# KiCad board pcb.kicad_pcb
title: Synth Labs 065 Hotswap RGB PCB; date: 2021-11-01; rev: 1.0; company: 0xCB; note: Conor Burns & Jakob Kriener
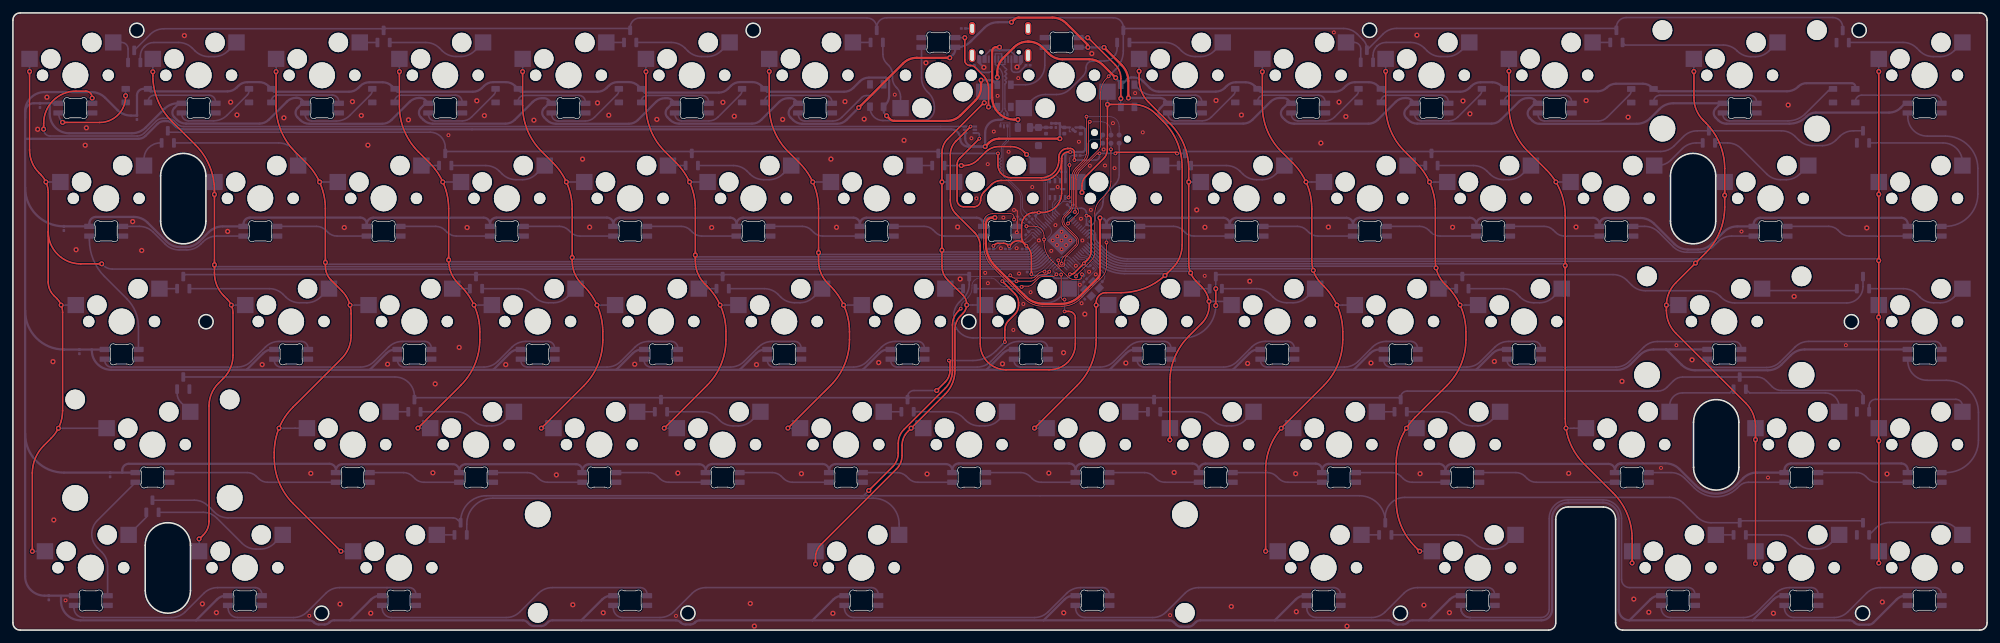
[diagram p0: board, top side]
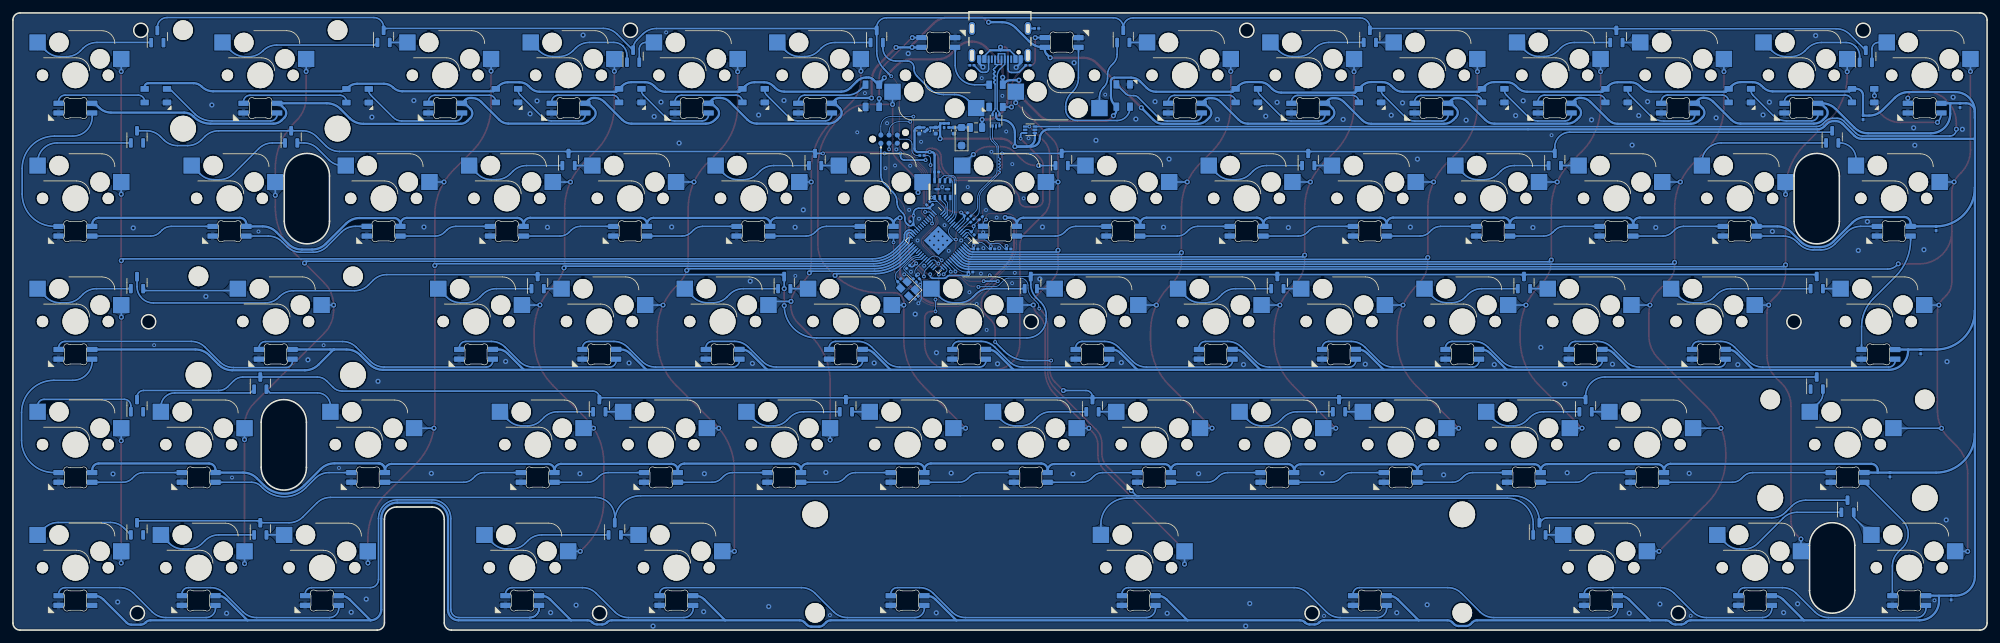
[diagram p1: board, bottom side, seen from below]

Outline 305.05 x 95.5 mm; copper layers: Top, Bottom. Coordinates in mm from the lower left corner of the outline.
Outline path: circle c19.14,92.82 r1.1 ; circle c29.84,47.72 r1.1 ; circle c47.7,2.62 r1.1 ; circle c104.3,2.62 r1.1 ; circle c114.39,92.82 r1.1 ; circle c147.71,47.72 r1.1 ; circle c209.64,92.82 r1.1 ; circle c214.39,2.62 r1.1 ; circle c284.09,47.72 r1.1 ; circle c285.29,92.82 r1.1 ; circle c285.82,2.62 r1.1 ; 0,94.4 0,1.1 arc(0.32,0.32) 1.1,0 237.3,0 arc(238.07,0.32) 238.4,1.1 238.4,17.15 arc(238.95,18.49) 240.3,19.05 245.75,19.05 arc(247.09,18.49) 247.65,17.15 247.65,1.1 arc(247.97,0.32) 248.75,0 303.95,0 arc(304.73,0.32) 305.05,1.1 305.05,94.4 arc(304.73,95.18) 303.95,95.5 1.1,95.5 arc(0.32,95.18) 0,94.4 ; 20.44,13.12 20.44,6.12 arc(23.94,2.62) 27.44,6.12 27.44,13.12 arc(23.94,16.62) 20.44,13.12 ; 22.82,70.27 22.82,63.27 arc(26.32,59.77) 29.82,63.27 29.82,70.27 arc(26.32,73.77) 22.82,70.27 ; 256.13,70.27 256.13,63.27 arc(259.63,59.76) 263.13,63.27 263.13,70.27 arc(259.63,73.77) 256.13,70.27 ; 259.7,32.17 259.7,25.17 arc(263.2,21.66) 266.7,25.17 266.7,32.17 arc(263.2,35.67) 259.7,32.17
Stack: Top 0.035mm / dielectric 1.51mm FR4 er 4.5 / Bottom 0.035mm

## Placement (name value [footprint] x y rotation side)
C1  100n  [C_0201_0603Metric]  162.33 70.89 180 bottom
C9  100n  [C_0201_0603Metric]  4.18 81.19 270 bottom
C10  100n  [C_0201_0603Metric]  7.87 62.15 270 bottom
C11  100n  [C_0201_0603Metric]  10.27 43.09 270 bottom
C12  100n  [C_0201_0603Metric]  15.02 24.04 270 bottom
C13  100n  [C_0201_0603Metric]  5.54 5 270 bottom
C14  100n  [C_0201_0603Metric]  19.16 79.33 270 bottom
C15  10u  [C_0402_1005Metric]  159.64 77.3 270 bottom
C16  1u  [C_0201_0603Metric]  161.16 78.09 270 bottom
C23  15p  [C_0201_0603Metric]  168.1 54.14 315 bottom
C24  15p  [C_0201_0603Metric]  165.39 51.44 135 bottom
C25  1u  [C_0201_0603Metric]  151.19 58.97 0 bottom
C26  1u  [C_0201_0603Metric]  156.74 61.39 45 bottom
C27  100n  [C_0201_0603Metric]  157.78 64.33 135 bottom
C28  100n  [C_0201_0603Metric]  166.18 63 45 bottom
C29  100n  [C_0201_0603Metric]  166.73 56.21 315 bottom
C30  100n  [C_0201_0603Metric]  157.06 55.4 180 bottom
C31  100n  [C_0201_0603Metric]  156.28 58.96 180 bottom
C32  100n  [C_0201_0603Metric]  163.64 65.57 45 bottom
C33  100n  [C_0201_0603Metric]  155.48 63.75 135 bottom
C34  100n  [C_0201_0603Metric]  153.68 58.98 180 bottom
C35  100n  [C_0201_0603Metric]  165.22 54.59 225 bottom
C39  10u  [C_0402_1005Metric]  162.46 77.3 270 bottom
C40  10u  [C_0402_1005Metric]  165.01 77.29 270 bottom
D1  -  [SK6812MINI-HS]  19.18 82.7 180 bottom
D2  -  [SK6812MINI-HS]  38.23 82.7 180 bottom
D3  -  [SK6812MINI-HS]  57.28 82.7 180 bottom
D4  -  [SK6812MINI-HS]  76.33 82.7 180 bottom
D5  -  [SK6812MINI-HS]  95.38 82.7 180 bottom
D6  -  [SK6812MINI-HS]  114.42 82.7 180 bottom
D7  -  [SK6812MINI-HS]  133.49 82.69 90 bottom
D8  -  [SK6812MINI-HS]  153.15 82.69 270 bottom
D9  -  [SK6812MINI-HS]  172.25 82.7 270 bottom
D10  -  [SK6812MINI-HS]  190.63 82.7 180 bottom
D11  -  [SK6812MINI-HS]  209.68 82.7 180 bottom
D12  -  [SK6812MINI-HS]  228.74 82.7 180 bottom
D13  -  [SK6812MINI-HS]  251.82 82.68 180 bottom
D14  -  [SK6812MINI-HS]  283 82.69 180 bottom
D15  SK6812MINI-E  [MX_SK6812MINI-E]  9.65 85.85 0 top
D16  SK6812MINI-E  [MX_SK6812MINI-E]  28.7 85.85 0 top
D17  SK6812MINI-E  [MX_SK6812MINI-E]  47.75 85.85 0 top
D18  SK6812MINI-E  [MX_SK6812MINI-E]  66.8 85.85 0 top
D19  SK6812MINI-E  [MX_SK6812MINI-E]  85.85 85.85 0 top
D20  SK6812MINI-E  [MX_SK6812MINI-E]  104.9 85.85 0 top
D21  SK6812MINI-E  [MX_SK6812MINI-E]  123.95 85.85 0 top
D22  SK6812MINI-E  [MX_SK6812MINI-E]  143 85.85 180 top
D23  SK6812MINI-E  [MX_SK6812MINI-E]  162.05 85.85 180 top
D24  SK6812MINI-E  [MX_SK6812MINI-E]  181.1 85.85 0 top
D25  SK6812MINI-E  [MX_SK6812MINI-E]  200.15 85.85 0 top
D26  SK6812MINI-E  [MX_SK6812MINI-E]  219.2 85.85 0 top
D27  SK6812MINI-E  [MX_SK6812MINI-E]  238.25 85.85 0 top
D28  SK6812MINI-E  [MX_SK6812MINI-E]  266.82 85.85 0 top
D29  SK6812MINI-E  [MX_SK6812MINI-E]  295.4 85.85 0 top
D30  SK6812MINI-E  [MX_SK6812MINI-E]  14.41 66.8 0 top
D31  SK6812MINI-E  [MX_SK6812MINI-E]  38.22 66.8 0 top
D32  SK6812MINI-E  [MX_SK6812MINI-E]  57.27 66.8 0 top
D33  SK6812MINI-E  [MX_SK6812MINI-E]  76.32 66.8 0 top
D34  SK6812MINI-E  [MX_SK6812MINI-E]  95.37 66.8 0 top
D35  SK6812MINI-E  [MX_SK6812MINI-E]  114.42 66.8 0 top
D36  SK6812MINI-E  [MX_SK6812MINI-E]  133.47 66.8 0 top
D37  SK6812MINI-E  [MX_SK6812MINI-E]  152.52 66.8 0 top
D38  SK6812MINI-E  [MX_SK6812MINI-E]  171.57 66.8 0 top
D39  SK6812MINI-E  [MX_SK6812MINI-E]  190.62 66.8 0 top
D40  SK6812MINI-E  [MX_SK6812MINI-E]  209.67 66.8 0 top
D41  SK6812MINI-E  [MX_SK6812MINI-E]  228.72 66.8 0 top
D42  SK6812MINI-E  [MX_SK6812MINI-E]  247.77 66.8 0 top
D43  SK6812MINI-E  [MX_SK6812MINI-E]  271.59 66.8 0 top
D44  SK6812MINI-E  [MX_SK6812MINI-E]  295.4 66.8 0 top
D45  SK6812MINI-E  [MX_SK6812MINI-E]  16.79 47.75 0 top
D46  SK6812MINI-E  [MX_SK6812MINI-E]  42.99 47.75 0 top
D47  SK6812MINI-E  [MX_SK6812MINI-E]  62.04 47.75 0 top
D48  SK6812MINI-E  [MX_SK6812MINI-E]  81.09 47.75 0 top
D49  SK6812MINI-E  [MX_SK6812MINI-E]  100.14 47.75 0 top
D50  SK6812MINI-E  [MX_SK6812MINI-E]  119.19 47.75 0 top
D51  SK6812MINI-E  [MX_SK6812MINI-E]  138.24 47.75 0 top
D52  SK6812MINI-E  [MX_SK6812MINI-E]  157.29 47.75 0 top
D53  SK6812MINI-E  [MX_SK6812MINI-E]  176.34 47.75 0 top
D54  SK6812MINI-E  [MX_SK6812MINI-E]  195.39 47.75 0 top
D55  SK6812MINI-E  [MX_SK6812MINI-E]  214.44 47.75 0 top
D56  SK6812MINI-E  [MX_SK6812MINI-E]  233.49 47.75 0 top
D57  SK6812MINI-E  [MX_SK6812MINI-E]  264.44 47.75 0 top
D58  SK6812MINI-E  [MX_SK6812MINI-E]  295.4 47.75 0 top
D59  SK6812MINI-E  [MX_SK6812MINI-E]  21.56 28.7 0 top
D60  SK6812MINI-E  [MX_SK6812MINI-E]  52.51 28.7 0 top
D61  SK6812MINI-E  [MX_SK6812MINI-E]  71.56 28.7 0 top
D62  SK6812MINI-E  [MX_SK6812MINI-E]  90.61 28.7 0 top
D63  SK6812MINI-E  [MX_SK6812MINI-E]  109.66 28.7 0 top
D64  SK6812MINI-E  [MX_SK6812MINI-E]  128.71 28.7 0 top
D65  SK6812MINI-E  [MX_SK6812MINI-E]  147.76 28.7 0 top
D66  SK6812MINI-E  [MX_SK6812MINI-E]  166.81 28.7 0 top
D67  SK6812MINI-E  [MX_SK6812MINI-E]  185.86 28.7 0 top
D68  SK6812MINI-E  [MX_SK6812MINI-E]  204.91 28.7 0 top
D69  SK6812MINI-E  [MX_SK6812MINI-E]  223.96 28.7 0 top
D70  SK6812MINI-E  [MX_SK6812MINI-E]  250.16 28.7 0 top
D71  SK6812MINI-E  [MX_SK6812MINI-E]  276.35 28.7 0 top
D72  SK6812MINI-E  [MX_SK6812MINI-E]  295.4 28.7 0 top
D73  SK6812MINI-E  [MX_SK6812MINI-E]  12.03 9.65 0 top
D74  SK6812MINI-E  [MX_SK6812MINI-E]  35.84 9.65 0 top
D75  SK6812MINI-E  [MX_SK6812MINI-E]  59.66 9.65 0 top
D76  SK6812MINI-E  [MX_SK6812MINI-E]  95.37 9.65 0 top
D77  SK6812MINI-E  [MX_SK6812MINI-E]  131.09 9.65 0 top
D78  SK6812MINI-E  [MX_SK6812MINI-E]  166.81 9.65 0 top
D79  SK6812MINI-E  [MX_SK6812MINI-E]  202.53 9.65 0 top
D80  SK6812MINI-E  [MX_SK6812MINI-E]  226.34 9.65 0 top
D81  SK6812MINI-E  [MX_SK6812MINI-E]  257.3 9.65 0 top
D82  SK6812MINI-E  [MX_SK6812MINI-E]  276.35 9.65 0 top
D83  SK6812MINI-E  [MX_SK6812MINI-E]  295.4 9.65 0 top
D84  BAV70  [SOT-23]  18.74 88.77 90 bottom
D85  BAV70  [SOT-23]  57.28 91.86 90 bottom
D86  BAV70  [SOT-23]  95.38 91.87 90 bottom
D87  BAV70  [SOT-23]  133.48 91.87 90 bottom
D88  BAV70  [SOT-23]  171.58 91.86 90 bottom
D89  BAV70  [SOT-23]  209.22 88.8 90 bottom
D90  BAV70  [SOT-23]  247.78 91.87 90 bottom
D91  BAV70  [SOT-23]  282.74 91.84 90 bottom
D92  BAV70  [SOT-23]  23.93 76.32 90 bottom
D93  BAV70  [SOT-23]  66.8 72.82 90 bottom
D94  BAV70  [SOT-23]  104.9 72.82 90 bottom
D95  BAV70  [SOT-23]  143 72.82 90 bottom
D96  BAV70  [SOT-23]  181.1 72.82 90 bottom
D97  BAV70  [SOT-23]  219.2 72.82 90 bottom
D98  BAV70  [SOT-23]  262.06 76.32 90 bottom
D99  BAV70  [SOT-23]  285.88 76.32 90 bottom
D100  BAV70  [SOT-23]  26.32 53.77 90 bottom
D101  BAV70  [SOT-23]  71.56 53.77 90 bottom
D102  BAV70  [SOT-23]  109.67 53.77 90 bottom
D103  BAV70  [SOT-23]  147.77 53.77 90 bottom
D104  BAV70  [SOT-23]  185.87 53.77 90 bottom
D105  BAV70  [SOT-23]  223.97 53.77 90 bottom
D106  BAV70  [SOT-23]  285.88 53.77 90 bottom
D107  BAV70  [SOT-23]  26.32 38.23 90 bottom
D108  BAV70  [SOT-23]  62.04 34.72 90 bottom
D109  BAV70  [SOT-23]  100.14 34.72 90 bottom
D110  BAV70  [SOT-23]  138.24 34.72 90 bottom
D111  BAV70  [SOT-23]  176.34 34.72 90 bottom
D112  BAV70  [SOT-23]  214.44 34.72 90 bottom
D113  BAV70  [SOT-23]  266.83 38.22 90 bottom
D114  BAV70  [SOT-23]  285.88 34.72 90 bottom
D115  BAV70  [SOT-23]  21.56 19.16 90 bottom
D116  BAV70  [SOT-23]  69.18 15.67 90 bottom
D117  BAV70  [SOT-23]  212.06 15.67 90 bottom
D118  BAV70  [SOT-23]  266.83 15.67 90 bottom
D119  BAV70  [SOT-23]  285.88 15.67 90 bottom
D120  SMF5.0CA  [D_SOD-123F]  158.47 76.37 90 bottom
F1  3A  [Fuse_0805_2012Metric]  156.23 77.77 0 bottom
FB1  600R  [C_0201_0603Metric]  160.46 78.1 90 bottom
FB2  600R  [C_0201_0603Metric]  146.87 93.1 180 bottom
J1  J-LINK_6-PIN_NEEDLE_ADAPTER  [J-LINK_6-PIN_NEEDLE_ADAPTER_SMALL]  169.67 75.97 180 bottom
J2  USB4120-03-C  [GCT_USB4105_REVA]  152.54 93.1 0 bottom
MX1  esc  [SW_Hotswap_Kailh_1.00u]  9.65 85.85 0 top
MX2  MX  [SW_Hotswap_Kailh_1.00u]  28.7 85.85 0 top
MX3  MX  [SW_Hotswap_Kailh_1.00u]  47.75 85.85 0 top
MX4  MX  [SW_Hotswap_Kailh_1.00u]  66.8 85.85 0 top
MX5  MX  [SW_Hotswap_Kailh_1.00u]  85.85 85.85 0 top
MX6  MX  [SW_Hotswap_Kailh_1.00u]  104.9 85.85 0 top
MX7  MX  [SW_Hotswap_Kailh_1.00u]  123.95 85.85 0 top
MX8  MX  [SW_Hotswap_Kailh_1.00u]  143 85.85 180 top
MX9  MX  [SW_Hotswap_Kailh_1.00u]  162.05 85.85 180 top
MX10  MX  [SW_Hotswap_Kailh_1.00u]  181.1 85.85 0 top
MX11  0  [SW_Hotswap_Kailh_1.00u]  200.15 85.85 0 top
MX12  MX  [SW_Hotswap_Kailh_1.00u]  219.2 85.85 0 top
MX13  MX  [SW_Hotswap_Kailh_1.00u]  238.25 85.85 0 top
MX14  bkspc  [SW_Hotswap_Kailh_2.00u]  266.82 85.85 0 top
MX15  MX  [SW_Hotswap_Kailh_1.00u]  295.4 85.85 0 top
MX16  MX  [SW_Hotswap_Kailh_1.50u]  14.41 66.8 0 top
MX17  MX  [SW_Hotswap_Kailh_1.00u]  38.22 66.8 0 top
MX18  MX  [SW_Hotswap_Kailh_1.00u]  57.27 66.8 0 top
MX19  MX  [SW_Hotswap_Kailh_1.00u]  76.32 66.8 0 top
MX20  MX  [SW_Hotswap_Kailh_1.00u]  95.37 66.8 0 top
MX21  MX  [SW_Hotswap_Kailh_1.00u]  114.42 66.8 0 top
MX22  MX  [SW_Hotswap_Kailh_1.00u]  133.47 66.8 0 top
MX23  MX  [SW_Hotswap_Kailh_1.00u]  152.52 66.8 0 top
MX24  MX  [SW_Hotswap_Kailh_1.00u]  171.57 66.8 0 top
MX25  MX  [SW_Hotswap_Kailh_1.00u]  190.62 66.8 0 top
MX26  MX  [SW_Hotswap_Kailh_1.00u]  209.67 66.8 0 top
MX27  MX  [SW_Hotswap_Kailh_1.00u]  228.72 66.8 0 top
MX28  MX  [SW_Hotswap_Kailh_1.00u]  247.77 66.8 0 top
MX29  MX  [SW_Hotswap_Kailh_1.50u]  271.59 66.8 0 top
MX30  MX  [SW_Hotswap_Kailh_1.00u]  295.4 66.8 0 top
MX31  MX  [SW_Hotswap_Kailh_1.75u]  16.79 47.75 0 top
MX32  MX  [SW_Hotswap_Kailh_1.00u]  42.99 47.75 0 top
MX33  MX  [SW_Hotswap_Kailh_1.00u]  62.04 47.75 0 top
MX34  MX  [SW_Hotswap_Kailh_1.00u]  81.09 47.75 0 top
MX35  MX  [SW_Hotswap_Kailh_1.00u]  100.14 47.75 0 top
MX36  MX  [SW_Hotswap_Kailh_1.00u]  119.19 47.75 0 top
MX37  MX  [SW_Hotswap_Kailh_1.00u]  138.24 47.75 0 top
MX38  MX  [SW_Hotswap_Kailh_1.00u]  157.29 47.75 0 top
MX39  MX  [SW_Hotswap_Kailh_1.00u]  176.34 47.75 0 top
MX40  MX  [SW_Hotswap_Kailh_1.00u]  195.39 47.75 0 top
MX41  MX  [SW_Hotswap_Kailh_1.00u]  214.44 47.75 0 top
MX42  MX  [SW_Hotswap_Kailh_1.00u]  233.49 47.75 0 top
MX43  MX  [SW_Hotswap_Kailh_2.25u]  264.44 47.75 0 top
MX44  MX  [SW_Hotswap_Kailh_1.00u]  295.4 47.75 0 top
MX45  MX  [SW_Hotswap_Kailh_2.25u]  21.56 28.7 0 top
MX46  MX  [SW_Hotswap_Kailh_1.00u]  52.51 28.7 0 top
MX47  MX  [SW_Hotswap_Kailh_1.00u]  71.56 28.7 0 top
MX48  MX  [SW_Hotswap_Kailh_1.00u]  90.61 28.7 0 top
MX49  MX  [SW_Hotswap_Kailh_1.00u]  109.66 28.7 0 top
MX50  MX  [SW_Hotswap_Kailh_1.00u]  128.71 28.7 0 top
MX51  MX  [SW_Hotswap_Kailh_1.00u]  147.76 28.7 0 top
MX52  MX  [SW_Hotswap_Kailh_1.00u]  166.81 28.7 0 top
MX53  MX  [SW_Hotswap_Kailh_1.00u]  185.86 28.7 0 top
MX54  MX  [SW_Hotswap_Kailh_1.00u]  204.91 28.7 0 top
MX55  MX  [SW_Hotswap_Kailh_1.00u]  223.96 28.7 0 top
MX56  shft  [SW_Hotswap_Kailh_1.75u]  250.16 28.7 0 top
MX57  up  [SW_Hotswap_Kailh_1.00u]  276.35 28.7 0 top
MX58  MX  [SW_Hotswap_Kailh_1.00u]  295.4 28.7 0 top
MX59  MX  [SW_Hotswap_Kailh_1.25u]  12.03 9.65 0 top
MX60  MX  [SW_Hotswap_Kailh_1.25u]  35.84 9.65 0 top
MX61  MX  [SW_Hotswap_Kailh_1.25u]  59.66 9.65 0 top
MX62  MX  [SW_Hotswap_Kailh_6.25u]  131.09 9.65 0 top
MX63  MX  [SW_Hotswap_Kailh_1.25u]  202.53 9.65 0 top
MX64  MX  [SW_Hotswap_Kailh_1.25u]  226.34 9.65 0 top
MX65  lft  [SW_Hotswap_Kailh_1.00u]  257.3 9.65 0 top
MX66  dwn  [SW_Hotswap_Kailh_1.00u]  276.35 9.65 0 top
MX67  lft  [SW_Hotswap_Kailh_1.00u]  295.4 9.65 0 top
R1  27R  [R_0201_0603Metric]  156.81 63.35 315 bottom
R2  27R  [R_0201_0603Metric]  157.27 63.84 315 bottom
R3  5k1  [R_0201_0603Metric]  148.21 87.4 180 bottom
R4  5k1  [R_0201_0603Metric]  156.87 87.4 0 bottom
R5  1K  [R_0201_0603Metric]  164.59 73.44 0 bottom
R17  10k  [R_0201_0603Metric]  163.14 66.07 45 bottom
R20  1k  [R_0201_0603Metric]  165.69 54.11 45 bottom
REF**  -  [Stabilizer_Cherry_MX_2u]  266.82 85.85 0 top
REF**#2  -  [Stabilizer_Cherry_MX_6.25u]  131.09 9.65 180 top
REF**#3  -  [Stabilizer_Cherry_MX_2u]  264.44 47.75 0 top
REF**#4  -  [Stabilizer_Cherry_MX_2u]  21.56 28.7 0 top
U1  -  [W25Q32JVUUIQ]  161.44 68.23 180 bottom
U2  USBLC6-2P6  [SOT-666]  153.14 78.88 90 bottom
U6  RP2040  [QFN-56-1EP_7x7mm_P0.4mm_EP3.2x3.2mm]  162.04 60.29 225 bottom
U7  74LVC1T45  [SOT-563]  147.89 77.42 0 bottom
U8  TLV75533PDQNR  [X2SON-4]  163.77 77.46 180 bottom
Y2  12MHz  [Crystal_SMD_2520-4Pin_2.5x2.0mm]  166.75 52.79 45 bottom

## Library data of the parts
C1 = -: Description: Unpolarized capacitor; LCSC: C576431; MPN : CL05B104KO5NNNC; Manufacturer: Samsung Electro-Mechanics
C9-C14 = -: Description: Unpolarized capacitor; LCSC: C576431
C15 = -: Description: Unpolarized capacitor
C16 = -: Description: Unpolarized capacitor; LCSC: C237458
C23 C24 = -: Description: Unpolarized capacitor; JLC Basic: Y; LCSC: C85891; MPN : 0402CG150J500NT; Manufacturer: FH(Guangdong Fenghua Advanced Tech); Substitute: Y
C25 C26 = -: Description: Unpolarized capacitor; JLC Basic: Y; LCSC: C237458; MPN : CL05A105KA5NQNC; Manufacturer: Samsung Electro-Mechanics; Substitute: Y
C27-C35 = -: Description: Unpolarized capacitor; JLC Basic: Y; LCSC: C576431; MPN : CL05B104KO5NNNC; Manufacturer: Samsung Electro-Mechanics; Substitute: Y
C39 C40 = -: Description: Unpolarized capacitor; JLC Basic: Y; LCSC: C15525; MPN : CL05A106MQ5NUNC; Manufacturer: Samsung Electro-Mechanics; Substitute: Y
D1-D14 = -: Description: SK6812MINI-E RGB LED; LCSC: C2922787; Field5: 1
D15-D83 = -: Description: SK6812MINI-E RGB LED; LCSC: C5149201; Field5: 1
D84-D119 = -: Description: Dual 100V 215mA high-speed switching diodes, common cathode, SOT-23; LCSC: C2501
D120 = -: Description: Bidirectional transient-voltage-suppression diode
F1 = -: Description: Resettable fuse, polymeric positive temperature coefficient; LCSC: C70156
FB1 FB2 = -: Description: Ferrite bead; LCSC: C88960
J1 = -: MPN : TC2030-ALT-NL; Manufacturer: Tag Connect
J2 = -: Description: USB 2.0-only Type-C Receptacle connector; LCSC: C165948
R1 R2 = -: Description: Resistor; JLC Basic: N; LCSC: C273295; MPN : 0402WGF270JTCE; Manufacturer: UNI-ROYAL(Uniroyal Elec); Substitute: Y
R3 R4 = -: Description: Resistor; LCSC: C473460
R5 = -: Description: Resistor; LCSC: C11702; MPN : 0402WGF1001TCE; Manufacturer: UNI-ROYAL(Uniroyal Elec)
R17 = -: Description: Resistor; JLC Basic: Y; LCSC: C138117; MPN : 0402WGF1002TCE; Manufacturer: UNI-ROYAL(Uniroyal Elec); Substitute: Y
R20 = -: Description: Resistor; JLC Basic: Y; LCSC: C138165; MPN : 0402WGF1001TCE; Manufacturer: UNI-ROYAL(Uniroyal Elec); Substitute: Y
REF** REF**#2-REF**#4 = -: Field4: REF**
U1 = -: Description: 4MB flash; LCSC: C2999380; Manufacturer: Winbond
U2 = -: Description: Very low capacitance ESD protection diode, 2 data-line, SOT-666; JLC Basic: N; JLCPCB_CORRECTION: 0; 0; 270; LCSC: C2827693; Manufacturer: TECH PUBLIC; Substitute: N
U6 = -: JLC Basic: N; LCSC: C2040; Manufacturer: Raspberry Pi; Substitute: N
U7 = -: Description: Single-Bit Dual-Supply Bus Transceiver With Configurable Voltage Translation and 3-State Outputs, SOT-563; JLC Basic: N; JLCPCB_CORRECTION: 0; 0; 270; LCSC: C352970; MPN : SN74LVC1T45DRLR; Manufacturer: Texas Instruments; Substitute: N
U8 = -: Description: 3.3v LDO; JLC Basic: N; LCSC: C2861882; Manufacturer: Texas Instruments; Substitute: N
Y2 = -: Description: Four pin crystal, GND on pins 2 and 4, small symbol; JLC Basic: N; LCSC: C2149204; MPN : 2TJ412000HYGBC; Manufacturer: JYJE; Substitute: N

## Footprints (pads in the part's own frame, mm; a bottom-side part is the same pattern mirrored in y, then rotated)
C_0201_0603Metric
  rrect 0.318x0.36 smd: (-0.345,0) (0.345,0)
  rrect 0.46x0.4 smd: 1(-0.32,0) 2(0.32,0)
C_0402_1005Metric
  rrect 0.56x0.62 smd: 1(-0.48,0) 2(0.48,0)
Crystal_SMD_2520-4Pin_2.5x2.0mm
  rect 1.15x1 smd: 1(-0.875,-0.7) 2(0.875,-0.7) 3(0.875,0.7) 4(-0.875,0.7)
D_SOD-123F
  rrect 1.1x1.1 smd: 1(-1.4,0) 2(1.4,0)
Fuse_0805_2012Metric
  rrect 0.975x1.4 smd: 1(-0.938,0) 2(0.938,0)
GCT_USB4105_REVA
  round 0.65 hole 0.65 unplated: (-2.89,3.68) (2.89,3.68)
  rect 0.6x1.15 smd: A1(-3.2,4.755) A4(-2.4,4.755) A9(2.4,4.755) A12(3.2,4.755) B1(3.2,4.755) B4(2.4,4.755) B9(-2.4,4.755) B12(-3.2,4.755)
  rect 0.3x1.15 smd: A5(-1.25,4.755) A6(-0.25,4.755) A7(0.25,4.755) A8(1.25,4.755) B5(1.75,4.755) B6(0.75,4.755) B7(-0.75,4.755) B8(-1.75,4.755)
  oval 1x2 hole 0.6x1.4: S1(-4.32,0) S2(4.32,0)
  oval 1.05x2.1 hole 0.6x1.7: S3(-4.32,4.18) S4(4.32,4.18)
J-LINK_6-PIN_NEEDLE_ADAPTER_SMALL
  round 1.067 hole 1.067 unplated: (-2.54,0) (2.54,-1.016) (2.54,1.016)
  round 0.787 smd: 1(-1.27,-0.635) 2(-1.27,0.635) 3(0,-0.635) 4(0,0.635) 5(1.27,-0.635) 6(1.27,0.635)
MX_SK6812MINI-E
  rrect 1.6x0.82 smd far side: 1(-2.6,-4.33) 2(-2.6,-5.83) 3(2.6,-5.83) 4(2.6,-4.33)
QFN-56-1EP_7x7mm_P0.4mm_EP3.2x3.2mm
  rrect 1.29x1.29 smd: (-0.8,-0.8) (-0.8,0.8) (0.8,-0.8) (0.8,0.8)
  rrect 0.875x0.2 smd: 1(-3.438,2.6) 2(-3.438,2.2) 3(-3.438,1.8) 4(-3.438,1.4) 5(-3.438,1) 6(-3.438,0.6) 7(-3.438,0.2) 8(-3.438,-0.2) 9(-3.438,-0.6) 10(-3.438,-1) 11(-3.438,-1.4) 12(-3.438,-1.8) 13(-3.438,-2.2) 14(-3.438,-2.6) 29(3.438,-2.6) 30(3.438,-2.2) 31(3.438,-1.8) 32(3.438,-1.4) 33(3.438,-1) 34(3.438,-0.6) 35(3.438,-0.2) 36(3.438,0.2) 37(3.438,0.6) 38(3.438,1) 39(3.438,1.4) 40(3.438,1.8) 41(3.438,2.2) 42(3.438,2.6)
  rrect 0.2x0.875 smd: 15(-2.6,-3.438) 16(-2.2,-3.438) 17(-1.8,-3.438) 18(-1.4,-3.438) 19(-1,-3.438) 20(-0.6,-3.438) 21(-0.2,-3.438) 22(0.2,-3.438) 23(0.6,-3.438) 24(1,-3.438) 25(1.4,-3.438) 26(1.8,-3.438) 27(2.2,-3.438) 28(2.6,-3.438) 43(2.6,3.438) 44(2.2,3.438) 45(1.8,3.438) 46(1.4,3.438) 47(1,3.438) 48(0.6,3.438) 49(0.2,3.438) 50(-0.2,3.438) 51(-0.6,3.438) 52(-1,3.438) 53(-1.4,3.438) 54(-1.8,3.438) 55(-2.2,3.438) 56(-2.6,3.438)
  rect 3.2x3.2 smd: 57(0,0)
R_0201_0603Metric
  rrect 0.318x0.36 smd: (-0.345,0) (0.345,0)
  rrect 0.46x0.4 smd: 1(-0.32,0) 2(0.32,0)
SK6812MINI-HS
  rrect 1.3x0.9 smd: 1(1.75,-1.05) 2(1.75,1.05) 3(-1.7,1.05) 4(-1.7,-1.05)
SOT-23
  rrect 1.475x0.6 smd: 1(-0.938,0.95) 2(-0.938,-0.95) 3(0.938,0)
SOT-563
  rect 0.7x0.34 smd: 1(-0.75,0.5) 2(-0.75,0) 3(-0.75,-0.5) 4(0.75,-0.5) 5(0.75,0) 6(0.75,0.5)
SOT-666
  rect 0.5x0.375 smd: 1(-0.85,0.537) 3(-0.85,-0.537) 4(0.85,-0.537) 6(0.85,0.537)
  rect 0.65x0.3 smd: 2(-0.925,0) 5(0.925,0)
Stabilizer_Cherry_MX_2u
  round 3.048 hole 3.048 unplated: (-11.938,6.985) (11.938,6.985)
  round 3.988 hole 3.988 unplated: (-11.938,-8.255) (11.938,-8.255)
Stabilizer_Cherry_MX_6.25u
  round 3.048 hole 3.048 unplated: (-50,6.985) (50,6.985)
  round 3.988 hole 3.988 unplated: (-50,-8.255) (50,-8.255)
SW_Hotswap_Kailh_1.00u
  round 1.75 hole 1.75 unplated: (-5.08,0) (5.08,0)
  round 3 hole 3 unplated: (-3.81,2.54) (2.54,5.08)
  round 4 hole 4 unplated: (0,0)
  rect 2.55x2.5 smd far side: 1(-7.085,2.54) 2(5.842,5.08)
SW_Hotswap_Kailh_1.25u
  round 1.75 hole 1.75 unplated: (-5.08,0) (5.08,0)
  round 3 hole 3 unplated: (-3.81,2.54) (2.54,5.08)
  round 4 hole 4 unplated: (0,0)
  rect 2.55x2.5 smd far side: 1(-7.085,2.54) 2(5.842,5.08)
SW_Hotswap_Kailh_1.50u
  round 1.75 hole 1.75 unplated: (-5.08,0) (5.08,0)
  round 3 hole 3 unplated: (-3.81,2.54) (2.54,5.08)
  round 4 hole 4 unplated: (0,0)
  rect 2.55x2.5 smd far side: 1(-7.085,2.54) 2(5.842,5.08)
SW_Hotswap_Kailh_1.75u
  round 1.75 hole 1.75 unplated: (-5.08,0) (5.08,0)
  round 3 hole 3 unplated: (-3.81,2.54) (2.54,5.08)
  round 4 hole 4 unplated: (0,0)
  rect 2.55x2.5 smd far side: 1(-7.085,2.54) 2(5.842,5.08)
SW_Hotswap_Kailh_2.00u
  round 1.75 hole 1.75 unplated: (-5.08,0) (5.08,0)
  round 3 hole 3 unplated: (-3.81,2.54) (2.54,5.08)
  round 4 hole 4 unplated: (0,0)
  rect 2.55x2.5 smd far side: 1(-7.085,2.54) 2(5.842,5.08)
SW_Hotswap_Kailh_2.25u
  round 1.75 hole 1.75 unplated: (-5.08,0) (5.08,0)
  round 3 hole 3 unplated: (-3.81,2.54) (2.54,5.08)
  round 4 hole 4 unplated: (0,0)
  rect 2.55x2.5 smd far side: 1(-7.085,2.54) 2(5.842,5.08)
SW_Hotswap_Kailh_6.25u
  round 1.75 hole 1.75 unplated: (-5.08,0) (5.08,0)
  round 3 hole 3 unplated: (-3.81,2.54) (2.54,5.08)
  round 4 hole 4 unplated: (0,0)
  rect 2.55x2.5 smd far side: 1(-7.085,2.54) 2(5.842,5.08)
W25Q32JVUUIQ
  rect 0.4x0.8 smd: 1(-1.188,-1.3) 2(-0.388,-1.3) 3(0.412,-1.3) 4(1.212,-1.3) 5(1.212,1.3) 6(0.412,1.3) 7(-0.388,1.3) 8(-1.188,1.3)
  rect 0.8x0.35 smd: 9(-0.79,0) 10(0.81,0)
X2SON-4
  custom 0.425x0.28 smd: 1(-0.435,0.335) 2(-0.435,-0.335) 3(0.435,-0.335) 4(0.435,0.335)
  rect 0.48x0.48 smd rot 45: 5(0,0)
